# Altium PCB PCB_v1.PcbDoc (part 2 of 8)
Units mil, origin at the board's own origin, x right, y up, seen from the top; angles counter-clockwise.
Board outline 17000 x 5250 mil, 4 copper layers (Top Side, Ground Layer, Power Layer, Bottom Side), stack 33.2 mil thick; 637 components, 583 nets, 2779 pads, 978 vias.
Unrouted connection lines stored in the file: 104.
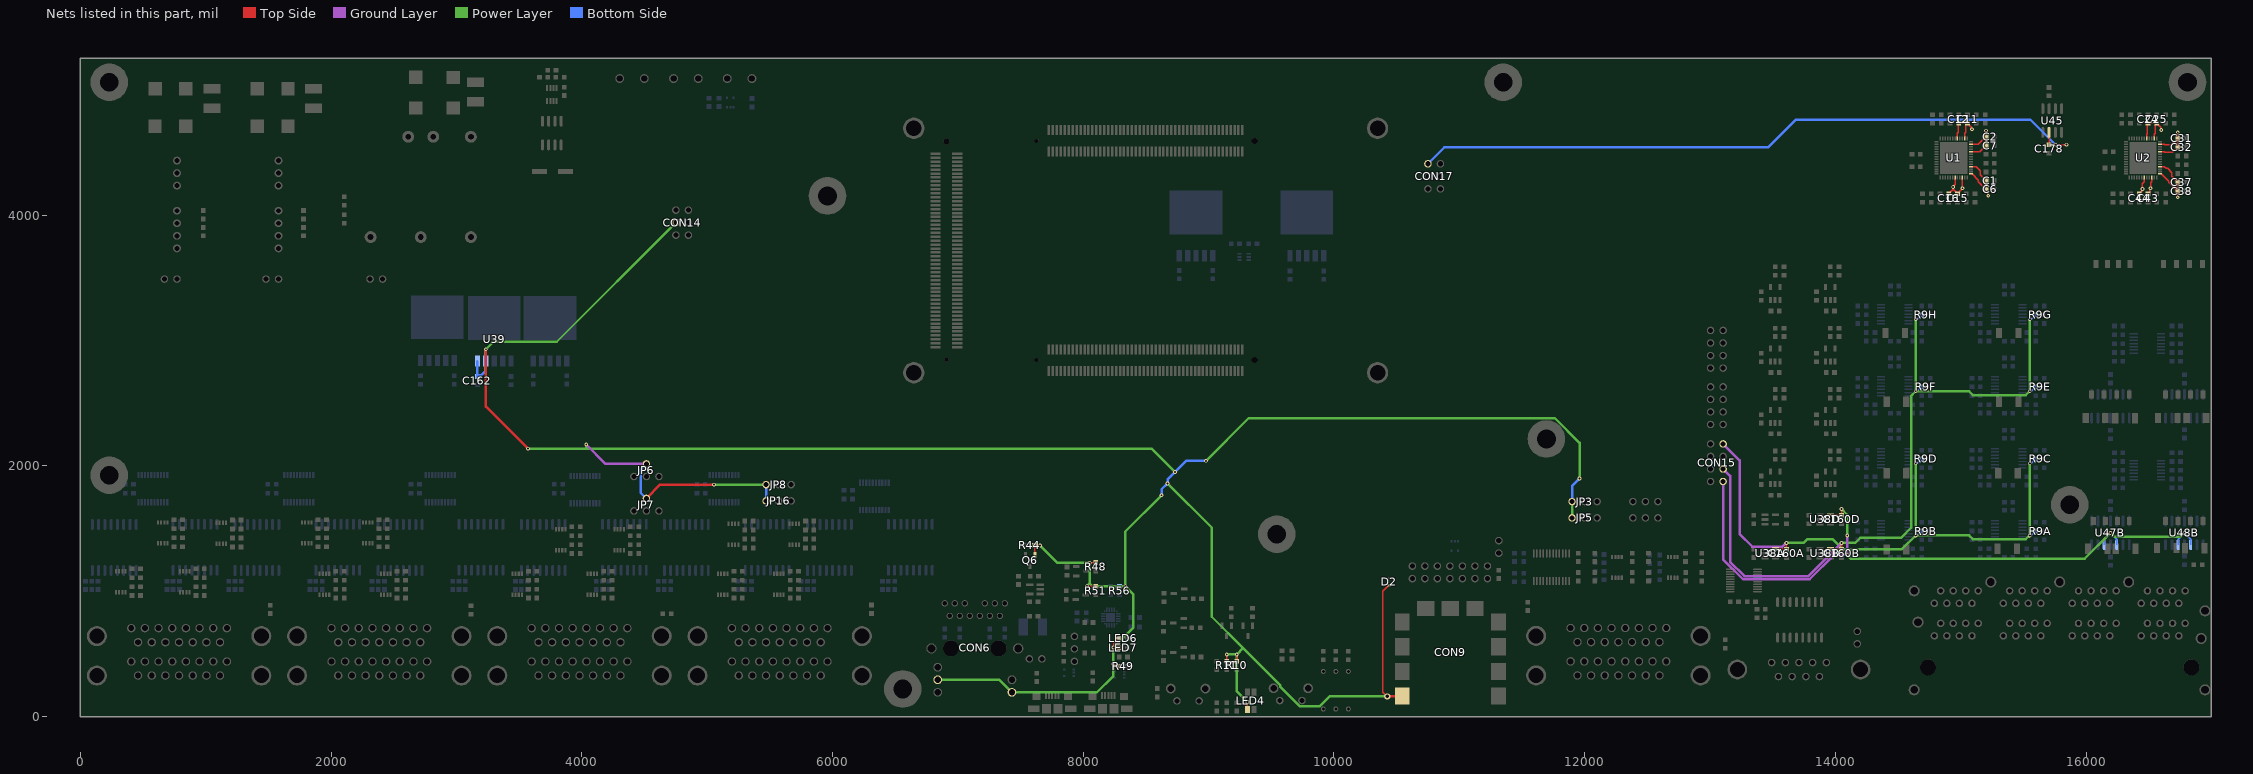
[diagram p4: the nets of this part, all layers, seen from the top]

## Components (designator, comment, footprint, x,y, rotation, side; value= is the part's Value field where it differs from the comment) (continued)
R53 "Resistor" 0603-RES 8076.26,316.57 r90 top value=0
R54 "Resistor" 0603-RES 8415,790 r180 bottom value=330
R55 "Resistor" 0603-RES 8415,715 r180 bottom value=330
R56 "Resistor" 0603-RES 8290,1005 r270 bottom value=5.1k
R57A "Resistor" 0603-RES 16260,2905 r0 bottom value="100, 1%" (schematic designator R57)
R57B "Resistor" 0603-RES 16260,1895 r0 bottom value="100, 1%" (schematic designator R57)
R58A "Resistor" 0603-RES 16260,3045 r0 bottom value="100, 1%" (schematic designator R58)
R58B "Resistor" 0603-RES 16260,2035 r0 bottom value="100, 1%" (schematic designator R58)
R59A "Resistor" 0603-RES 16720,3045 r180 bottom value="100, 1%" (schematic designator R59)
R59B "Resistor" 0603-RES 16720,2035 r180 bottom value="100, 1%" (schematic designator R59)
R60A "Resistor" 0603-RES 16720,2905 r180 bottom value="100, 1%" (schematic designator R60)
R60B "Resistor" 0603-RES 16720,1895 r180 bottom value="100, 1%" (schematic designator R60)
SOM1 "PicoZed" PicoZedSOM 10498.31,2592.89 r90 top locked
SW1 "1825027-5" 1825027-5 8836.34,125 r0 top
SW2 "194-3MST" 194-3MST 10015,60 r0 top
SW3 "1825027-5" 1825027-5 9656.42,127.6 r0 top
TP1A "Test Point" RCU-0C 16260,3610 r180 top (schematic designator TP1)
TP1B "Test Point" RCU-0C 16170,3610 r180 top (schematic designator TP1)
TP2A "Test Point" RCU-0C 16345,2570 r180 top (schematic designator TP2)
TP2B "Test Point" RCU-0C 16345,1560 r180 top (schematic designator TP2)
TP3A "Test Point" RCU-0C 16245,2570 r180 top (schematic designator TP3)
TP3B "Test Point" RCU-0C 16250,1560 r180 top (schematic designator TP3)
TP4A "Test Point" RCU-0C 16045,2570 r180 top (schematic designator TP4)
TP4B "Test Point" RCU-0C 16060,1560 r180 top (schematic designator TP4)
TP5A "Test Point" RCU-0C 16350,3610 r180 top (schematic designator TP5)
TP5B "Test Point" RCU-0C 16080,3610 r180 top (schematic designator TP5)
TP6A "Test Point" RCU-0C 16145,2570 r180 top (schematic designator TP6)
TP6B "Test Point" RCU-0C 16155,1560 r180 top (schematic designator TP6)
TP7A "Test Point" RCU-0C 16618.94,3610 r180 top (schematic designator TP7)
TP7B "Test Point" RCU-0C 16826.31,3610 r180 top (schematic designator TP7)
TP8A "Test Point" RCU-0C 16935,2570 r180 top (schematic designator TP8)
TP8B "Test Point" RCU-0C 16935,1560 r180 top (schematic designator TP8)
TP9A "Test Point" RCU-0C 16835,2570 r180 top (schematic designator TP9)
TP9B "Test Point" RCU-0C 16835,1560 r180 top (schematic designator TP9)
TP10A "Test Point" RCU-0C 16635,2570 r180 top (schematic designator TP10)
TP10B "Test Point" RCU-0C 16635,1560 r180 top (schematic designator TP10)
TP11A "Test Point" RCU-0C 16722.62,3610 r180 top (schematic designator TP11)
TP11B "Test Point" RCU-0C 16930,3610 r180 top (schematic designator TP11)
TP12A "Test Point" RCU-0C 16735,2570 r180 top (schematic designator TP12)
TP12B "Test Point" RCU-0C 16735,1560 r180 top (schematic designator TP12)
U1 "LTC2320-14" QFN52 14945,4456.54 r180 top
U2 "LTC2320-14" QFN52 16455,4456.54 r180 top
U3 "DCDC Converter RS6" "RS6 DCDC" 770,4435.29 r270 top
U3A "ADA4522-4" TSSOP14 15383.17,1485.35 r90 bottom (schematic designator U3)
U3B "ADA4522-4" TSSOP14 14473.17,1485.35 r90 bottom (schematic designator U3)
U3C "ADA4522-4" TSSOP14 15383.17,2060.35 r90 bottom (schematic designator U3)
U3D "ADA4522-4" TSSOP14 14473.17,2060.35 r90 bottom (schematic designator U3)
U3E "ADA4522-4" TSSOP14 15383.17,2635.35 r90 bottom (schematic designator U3)
U3F "ADA4522-4" TSSOP14 14473.17,2635.35 r90 bottom (schematic designator U3)
U3G "ADA4522-4" TSSOP14 15383.17,3210.35 r90 bottom (schematic designator U3)
U3H "ADA4522-4" TSSOP14 14473.17,3210.35 r90 bottom (schematic designator U3)
U4 "ADG3308" TSSOP50P640-20N 13270,1085.24 r180 top
U5 "MAX3097E" SOP127P826-16L 13715,771.25 r90 top
U6 "SN74LVC8T245PWR" TSSOP24 11735,1190 r180 top
U7 "SN74LVC2T45DCTR" SM8 12295.98,1190.01 r180 top
U8 "SN74LVC2T45DCTR" SM8 12741.77,1190.01 r180 top
U9 "SN74LVC8T245PWR" TSSOP24 11735,1190 r0 bottom
U10 "SN74LVC2T45DCTR" SM8 12220,1190 r0 bottom
U11 "SN74LVC2T45DCTR" SM8 12665,1190 r0 bottom
U12A "TC4468" "SOIC16_N - wide" 5799.98,1532.09 r270 bottom locked (schematic designator U12)
U12B "TC4468" "SOIC16_N - wide" 4658.45,1532.09 r270 bottom locked (schematic designator U12)
U12C "TC4468" "SOIC16_N - wide" 3516.91,1532.09 r270 bottom locked (schematic designator U12)
U12D "TC4468" "SOIC16_N - wide" 2375.38,1532.09 r270 bottom locked (schematic designator U12)
U12E "TC4468" "SOIC16_N - wide" 1232.7,1532.09 r270 bottom locked (schematic designator U12)
U12F "TC4468" "SOIC16_N - wide" 94.63,1532.09 r270 bottom locked (schematic designator U12)
U13A "ADG3308" TSSOP-20 6218.24,1865 r0 bottom (schematic designator U13)
U13B "ADG3308" TSSOP-20 5020.02,1927.6 r0 bottom (schematic designator U13)
U13C "ADG3308" TSSOP-20 3910.94,1920 r0 bottom (schematic designator U13)
U13D "ADG3308" TSSOP-20 2754.76,1927.6 r0 bottom (schematic designator U13)
U13E "ADG3308" TSSOP-20 1625.94,1927.6 r0 bottom (schematic designator U13)
U13F "ADG3308" TSSOP-20 462.72,1927.6 r0 bottom (schematic designator U13)
U14 "DCDC Converter RS6" "RS6 DCDC" 1580,4435.29 r270 top
U15A "TC4468" "SOIC16_N - wide" 6444.98,1533.62 r270 bottom locked (schematic designator U15)
U15B "TC4468" "SOIC16_N - wide" 5303.45,1533.62 r270 bottom locked (schematic designator U15)
U15C "TC4468" "SOIC16_N - wide" 4163.84,1533.62 r270 bottom locked (schematic designator U15)
U15D "TC4468" "SOIC16_N - wide" 3020.38,1533.62 r270 bottom locked (schematic designator U15)
U15E "TC4468" "SOIC16_N - wide" 1877.7,1533.62 r270 bottom locked (schematic designator U15)
U15F "TC4468" "SOIC16_N - wide" 739.63,1533.62 r270 bottom locked (schematic designator U15)
U16A "SN74LVC2T45DCTR" SM8 870,1075 r180 top (schematic designator U16)
U16B "SN74LVC2T45DCTR" SM8 2474.24,1055 r180 top (schematic designator U16)
U16C "SN74LVC2T45DCTR" SM8 4122.15,1055 r180 top (schematic designator U16)
U16D "SN74LVC2T45DCTR" SM8 5610,1055 r180 top (schematic designator U16)
U16E "SN74LVC2T45DCTR" SM8 1161.77,1462.89 r180 top (schematic designator U16)
U16F "SN74LVC2T45DCTR" SM8 2330,1465 r180 top (schematic designator U16)
U16G "SN74LVC2T45DCTR" SM8 4335.54,1410 r180 top (schematic designator U16)
U16H "SN74LVC2T45DCTR" SM8 5732.54,1454.56 r180 top (schematic designator U16)
U16I "SN74LVC2T45DCTR" SM8 360,1075 r180 top (schematic designator U16)
U16J "SN74LVC2T45DCTR" SM8 1985,1055 r180 top (schematic designator U16)
U16K "SN74LVC2T45DCTR" SM8 3522.07,1055 r180 top (schematic designator U16)
U16L "SN74LVC2T45DCTR" SM8 5161.68,1055 r180 top (schematic designator U16)
U16M "SN74LVC2T45DCTR" SM8 695,1465 r180 top (schematic designator U16)
U16N "SN74LVC2T45DCTR" SM8 1843.88,1465 r180 top (schematic designator U16)
U16O "SN74LVC2T45DCTR" SM8 3869.02,1410 r180 top (schematic designator U16)
U16P "SN74LVC2T45DCTR" SM8 5248.18,1454.56 r180 top (schematic designator U16)
U17 "DCDC Converter SHHD003A0A41Z" "DCDC SHHD003A0A41-SRZ" 3114.68,3825.29 r270 top
U18 "LTC4365" TS8 3799.56,5015.05 r180 top
U34 "74LVC1T45GW,125" SOT363-6N 9283.11,3666.54 r180 bottom
U37A "LT1764EQ-1.8#PBF-ND" 5-DDPAK 3746,2835.65 r180 bottom (schematic designator U37)
U37B "LT1764EQ-1.8#PBF-ND" 5-DDPAK 8900.02,3676.54 r180 bottom (schematic designator U37)
U38A "LP5907MFX-2.5/NOPB" SOT23-5 13480,1302.4 r270 top (schematic designator U38)
U38B "LP5907MFX-2.5/NOPB" SOT23-5 13920,1302.4 r270 top (schematic designator U38)
U38C "LP5907MFX-2.5/NOPB" SOT23-5 13480,1572.4 r270 top (schematic designator U38)
U38D "LP5907MFX-2.5/NOPB" SOT23-5 13920,1572.4 r270 top (schematic designator U38)
U39 "LT1764EQ-3.3#PBF" 5-DDPAK 3301,2835.65 r180 bottom
U40A "LT1529CQ-5#PBF" 5-DDPAK 2847.41,2840 r180 bottom (schematic designator U40)
U40B "LT1529CQ-5#PBF" 5-DDPAK 9783.88,3676.54 r180 bottom (schematic designator U40)
U41A "ADP7118AUJZ-R7" TSOT-23 13960,1905 r0 top (schematic designator U41)
U41B "ADP7118AUJZ-R7" TSOT-23 13960,2395 r0 top (schematic designator U41)
U41C "ADP7118AUJZ-R7" TSOT-23 13960,2885 r0 top (schematic designator U41)
U41D "ADP7118AUJZ-R7" TSOT-23 13960,3375 r0 top (schematic designator U41)
U42A "ADP7182AUJZ-R7" TSOT-23 13520,1905 r0 top (schematic designator U42)
U42B "ADP7182AUJZ-R7" TSOT-23 13520,2395 r0 top (schematic designator U42)
U42C "ADP7182AUJZ-R7" TSOT-23 13520,2885 r0 top (schematic designator U42)
U42D "ADP7182AUJZ-R7" TSOT-23 13520,3375 r0 top (schematic designator U42)
U43 "TPS2051C" SOT23-5 7615,1015 r90 top
U44 "CP2102N" QFN20 8137.15,704.79 r90 bottom
U45 "LT1461CCS8-2.5#PBF" SOIC8_N 15730.25,4755 r270 top
U46A "ADA4522-4" TSSOP14 16490,2975.51 r90 bottom (schematic designator U46)
U46B "ADA4522-4" TSSOP14 16490,1965.51 r90 bottom (schematic designator U46)
U47A "INA2143UA" SOIC14_N 16195,2475.51 r90 bottom (schematic designator U47)
U47B "INA2143UA" SOIC14_N 16195,1465.51 r90 bottom (schematic designator U47)
U48A "INA2143UA" SOIC14_N 16785,2475.51 r90 bottom (schematic designator U48)
U48B "INA2143UA" SOIC14_N 16785,1465.51 r90 bottom (schematic designator U48)

## Footprints (in the part's own frame and the unit in brackets; to place one, negate y for a bottom-side part, rotate by r counter-clockwise, add the part's x,y. Pads: shape width x height; smd on the part's side, far side on the other; paste and mask are expansions set on the pad)
5-DDPAK [mil] "Q PACKAGE  5-LEAD PLASTIC DD"
  rect 42x90 smd: 1(-134,0) 2(-67,0) 3(0,0) 4(67,0) 5(134,0)
  rect 420x350 smd: 6(0,345)
178-015-513R571 [mil] "CONN D-SUB RCPT 15POS R/A SLDR"
  round 67 hole 47: 1A(381.5,0) 1B(381.5,-266) 2A(272.5,0) 2B(272.5,-266) 3A(163.5,0) 3B(163.5,-266) 4A(54.5,0) 4B(54.5,-266) 5A(-54.5,0) 5B(-54.5,-266) 6A(-163.5,0) 6B(-163.5,-266) 7A(-272.5,0) 7B(-272.5,-266) 8A(-381.5,0) 8B(-381.5,-266) 9A(327,-112) 9B(327,-378) 10A(218,-112) 10B(218,-378) 11A(109,-112) 11B(109,-378) 12A(0,-112) 12B(0,-378) 13A(-109,-112) 13B(-109,-378) 14A(-218,-112) 14B(-218,-378) 15A(-327,-112) 15B(-327,-378)
  round 160 hole 120: SH1(656,-63) SH2(-656,-63) SH3(-656,-378) SH4(656,-378)
  silkscreen extent -770,-700 770,70
194-3MST [mm] "SWITCH PIANO DIP SPST 50MA 24V"
  round 1 hole 0.6: 1(-2.54,0) 2(-2.54,7.62) 3(0,0) 4(0,7.62) 5(2.54,0) 6(2.54,7.62)
  silkscreen extent -2.54,1.02 2.54,6.6
0603-CAP [mm]
  rect 0.95x0.95 smd: 1(-0.85,0) 2(0.85,0)
  silkscreen extent 0,-0.38 0,0.38
0603-LED [mm]
  rect 0.95x0.95 smd: A(0.85,0) C(-0.85,0)
  silkscreen extent -1.65,-0.38 0,0.38
0603-RES [mm]
  rect 0.95x0.95 smd: 1(-0.85,0) 2(0.85,0)
  silkscreen extent 0,-0.38 0,0.38
1210-LED-RGB-CA [mm]
  rect 1x1.5 smd paste+0 mask+0: 1(0.7,1.75) 1(0.7,1.75) 2(-0.7,1.75) 3(0.7,-1.75) 4(-0.7,-1.75)
  silkscreen extent -1.02,-0.71 1.93,0.91
1812-CAP [mil]
  rect 75x135 smd: 1(-77.48,0) 2(77.48,0)
  silkscreen extent -28,-60 28,60
1825027-5 [mm] "SWITCH TACTILE SPST-NO 0.05A 24V"
  round 1.524 hole 0.991: 1(-2.25,0) 2(2.25,0)
  round 2 hole 1.295: SH(-3.505,2.49) SH(3.505,2.49)
  silkscreen extent -1.78,-2.29 1.78,-1.52
1935161 [mil] "TERM BLOCK PCB 2POS 5.0MM GREEN"
  round 70 hole 51.18: 1(-98.43,0) 2(98.43,0)
  silkscreen extent -197,-157 197,157
1981584-1 [mm] "CONN RCPT MICRO USB TYPE AB"
  rect 0.4x1.35 smd: 1(-1.3,0) 2(-0.65,0) 3(0,0) 4(0.65,0) 5(1.3,0)
  rect 1.8x1.9 smd: SH(-1.15,-2.675) SH(1.15,-2.675)
  rect 2.3x1.3 smd: SH1(-3.75,-2.675) SH4(3.75,-2.675)
  rect 1.6x1.4 smd: SH2(-3.2,-0.225) SH3(3.2,-0.225)
  silkscreen extent -5,-4.13 5,-4.13
5569257-1 [mil] "CONN MOD JACK 8P8C R/A SHIELDED"
  round 60 hole 35.04: 1A(552,992.84) 1B(1102,992.84) 1C(1652,992.84) 1D(2202,992.84) 1E(202,633) 1F(752,633) 1G(1302,633) 1H(1852,633) 2A(452,992.84) 2B(1002,992.84) 2C(1552,992.84) 2D(2102,992.84) 2E(302,633) 2F(852,633) 2G(1402,633) 2H(1952,633) 3A(352,992.84) 3B(902,992.84) 3C(1452,992.84) 3D(2002,992.84) 3E(402,633) 3F(952,633) 3G(1502,633) 3H(2052,633) 4A(252,992.84) 4B(802,992.84) 4C(1352,992.84) 4D(1902,992.84) 4E(502,633) 4F(1052,633) 4G(1602,633) 4H(2152,633) 5A(502,892.84) 5B(1052,892.84) 5C(1602,892.84) 5D(2152,892.84) 5E(252,733) 5F(802,733) 5G(1352,733) 5H(1902,733) 6A(402,892.84) 6B(952,892.84) 6C(1502,892.84) 6D(2052,892.84) 6E(352,733) 6F(902,733) 6G(1452,733) 6H(2002,733) 7A(302,892.84) 7B(852,892.84) 7C(1402,892.84) 7D(1952,892.84) 7E(452,733) 7F(1002,733) 7G(1552,733) 7H(2102,733) 8A(202,892.84) 8B(752,892.84) 8C(1302,892.84) 8D(1852,892.84) 8E(552,733) 8F(1102,733) 8G(1652,733) 8H(2202,733)
  round 88.58 hole 61.81: SH1(41.17,203.08) SH2(72.08,742.84) SH3(41.17,992.84) SH4(652,1062.92) SH5(1202,1062.92) SH6(1752,1062.92) SH7(2361.84,833) SH8(2330.94,612.92) SH9(2361.84,203.08)
  round 127.95 hole 127.95: ""(152,383) ""(2252,383)
  silkscreen extent -1,-5 2409,1113
"A-DF 09 A/KG-T2S" [mm] "CONN D-SUB RCPT 9POS R/A SOLDER"
  round 1.524 hole 1: 1(5.54,1.42) 2(2.77,1.42) 3(0,1.42) 4(-2.77,1.42) 5(-5.54,1.42) 6(4.155,-1.42) 7(1.385,-1.42) 8(-1.385,-1.42) 9(-4.155,-1.42)
  round 4 hole 3.05: SH1(-12.495,0) SH2(12.495,0)
  silkscreen extent -15.49,-9.4 15.49,3.05
"CAP - UWT1V101MCL1GS" [mm] "100uF cap"
  rect 3x1 smd: 1(0.838,-3.302) 2(6.088,-3.302)
  silkscreen extent -0.79,-6.6 6.65,0, body extent 0.19,-6.44 6.49,-0.14, height 7.7
"CMC 744273801" [mm] "CMC 9UH 3.5A 2LN 800 OHM SMD"
  rect 2.7x2.7 smd: 1(0,0) 2(0,-6.2) 3(7.6,-6.223) 4(7.6,0)
  silkscreen extent -1.52,-7.75 9.02,1.52, body extent -0.89,-7.45 8.61,0.85, height 5.3
"DCDC SHHD003A0A41-SRZ" [mm] "DC/DC CONVERTER 15W 5V 3A"
  round 2.4 hole 1.2: 1(-20.32,-12.7) 2(-20.32,-7.62) 3(-20.32,0) 4(0,0) 5(0,-10.16) 6(0,-20.32)
  silkscreen extent -23.37,-23.37 4.45,5.21
JTAG-SMT2 [mm]
  rect 3.5x3 smd: 1(-7.5,0) 2(-2.5,0) 3(2.5,0) 4(7.5,0) 8(7.5,19.5) 9(2.5,19.5) 10(-2.5,19.5) 11(-7.5,19.5)
  rect 3x3.5 smd: 5(10.25,4.75) 6(10.25,9.75) 7(10.25,14.75)
  silkscreen extent -11.5,-1.5 -8.65,21
L829-1J1T-43 [mil] "CONN MAGJACK 1PORT 1000 BASE-T"
  round 50 hole 35.04: 1(-200,0) 2(-120.08,0) 3(-40.08,0) 4(40,0) 5(119.92,0) 6(199.92,0) 7(-240,-100) 8(-160,-100) 9(-80,-100) 10(80,-100) 11(160,-100) 12(240,-100)
  round 70 hole 50: 13(-296,510) 14(-296,610) 15(296,410) 16(296,510) 17(296,610)
  round 82 hole 62: 18(-346,260) 19(346,260)
  round 128 hole 127.95: ""(-190,260) ""(190,260)
  silkscreen extent -346,-200 346,800
MOUNTING_HOLE [mil]
  round 300 hole 150: 1(0,0)
PicoZedSOM [mil] "PicoZed SOM Footprint"
  round 170 hole 125: 0(150,3850) 0(150,150) 0(2100,3850) 0(2100,150)
  round 30 hole 32.01 unplated: 0(250.5,2870) 0(255,3590) 0(2000.5,2870)
  round 45.98 hole 47.99 unplated: 0(250.5,1130) 0(1995,3590) 0(2000.5,1130)
  rect 80x20 smd: JX1-1(2087.11,2771.65) JX1-2(1913.89,2771.65) JX1-3(2087.11,2740.16) JX1-4(1913.89,2740.16) JX1-5(2087.11,2708.66) JX1-6(1913.89,2708.66) JX1-7(2087.11,2677.17) JX1-8(1913.89,2677.17) JX1-9(2087.11,2645.67) JX1-10(1913.89,2645.67) JX1-11(2087.11,2614.17) JX1-12(1913.89,2614.17) JX1-13(2087.11,2582.68) JX1-14(1913.89,2582.68) JX1-15(2087.11,2551.18) JX1-16(1913.89,2551.18) JX1-17(2087.11,2519.69) JX1-18(1913.89,2519.69) JX1-19(2087.11,2488.19) JX1-20(1913.89,2488.19) JX1-21(2087.11,2456.69) JX1-22(1913.89,2456.69) JX1-23(2087.11,2425.2) JX1-24(1913.89,2425.2) JX1-25(2087.11,2393.7) JX1-26(1913.89,2393.7) JX1-27(2087.11,2362.2) JX1-28(1913.89,2362.21) JX1-29(2087.11,2330.71) JX1-30(1913.89,2330.71) JX1-31(2087.11,2299.21) JX1-32(1913.89,2299.21) JX1-33(2087.11,2267.72) JX1-34(1913.89,2267.72) JX1-35(2087.11,2236.22) JX1-36(1913.89,2236.22) JX1-37(2087.11,2204.72) JX1-38(1913.89,2204.73) JX1-39(2087.11,2173.23) JX1-40(1913.89,2173.23) JX1-41(2087.11,2141.73) JX1-42(1913.89,2141.73) JX1-43(2087.11,2110.24) JX1-44(1913.89,2110.24) JX1-45(2087.11,2078.74) JX1-46(1913.89,2078.74) JX1-47(2087.11,2047.24) JX1-48(1913.89,2047.25) JX1-49(2087.11,2015.75) JX1-50(1913.89,2015.75) JX1-51(2087.11,1984.25) JX1-52(1913.89,1984.25) JX1-53(2087.11,1952.76) JX1-54(1913.89,1952.76) JX1-55(2087.11,1921.26) JX1-56(1913.89,1921.26) JX1-57(2087.11,1889.76) JX1-58(1913.89,1889.77) JX1-59(2087.11,1858.27) JX1-60(1913.89,1858.27) JX1-61(2087.11,1826.77) JX1-62(1913.89,1826.77) JX1-63(2087.11,1795.28) JX1-64(1913.89,1795.28) JX1-65(2087.11,1763.78) JX1-66(1913.89,1763.78) JX1-67(2087.11,1732.28) JX1-68(1913.89,1732.29) JX1-69(2087.11,1700.79) JX1-70(1913.89,1700.79) JX1-71(2087.11,1669.29) JX1-72(1913.89,1669.29) JX1-73(2087.11,1637.8) JX1-74(1913.89,1637.8) JX1-75(2087.11,1606.3) JX1-76(1913.89,1606.3) JX1-77(2087.11,1574.8) JX1-78(1913.89,1574.81) JX1-79(2087.11,1543.31) JX1-80(1913.89,1543.31) JX1-81(2087.11,1511.81) JX1-82(1913.89,1511.81) JX1-83(2087.11,1480.31) JX1-84(1913.89,1480.32) JX1-85(2087.11,1448.82) JX1-86(1913.89,1448.82) JX1-87(2087.11,1417.32) JX1-88(1913.89,1417.33) JX1-89(2087.11,1385.83) JX1-90(1913.89,1385.83) JX1-91(2087.11,1354.33) JX1-92(1913.89,1354.33) JX1-93(2087.11,1322.83) JX1-94(1913.89,1322.84) JX1-95(2087.11,1291.34) JX1-96(1913.89,1291.34) JX1-97(2087.11,1259.84) JX1-98(1913.89,1259.85) JX1-99(2087.11,1228.35) JX1-100(1913.89,1228.35) JX2-1(337.11,2771.65) JX2-2(163.89,2771.65) JX2-3(337.11,2740.16) JX2-4(163.89,2740.16) JX2-5(337.11,2708.66) JX2-6(163.89,2708.66) JX2-7(337.11,2677.17) JX2-8(163.89,2677.17) JX2-9(337.11,2645.67) JX2-10(163.89,2645.67) JX2-11(337.11,2614.17) JX2-12(163.89,2614.17) JX2-13(337.11,2582.68) JX2-14(163.89,2582.68) JX2-15(337.11,2551.18) JX2-16(163.89,2551.18) JX2-17(337.11,2519.69) JX2-18(163.89,2519.69) JX2-19(337.11,2488.19) JX2-20(163.89,2488.19) JX2-21(337.11,2456.69) JX2-22(163.89,2456.69) JX2-23(337.11,2425.2) JX2-24(163.89,2425.2) JX2-25(337.11,2393.7) JX2-26(163.89,2393.7) JX2-27(337.11,2362.2) JX2-28(163.89,2362.21) JX2-29(337.11,2330.71) JX2-30(163.89,2330.71) JX2-31(337.11,2299.21) JX2-32(163.89,2299.21) JX2-33(337.11,2267.72) JX2-34(163.89,2267.72) JX2-35(337.11,2236.22) JX2-36(163.89,2236.22) JX2-37(337.11,2204.72) JX2-38(163.89,2204.73) JX2-39(337.11,2173.23) JX2-40(163.89,2173.23) JX2-41(337.11,2141.73) JX2-42(163.89,2141.73) JX2-43(337.11,2110.24) JX2-44(163.89,2110.24) JX2-45(337.11,2078.74) JX2-46(163.89,2078.74) JX2-47(337.11,2047.24) JX2-48(163.89,2047.25) JX2-49(337.11,2015.75) JX2-50(163.89,2015.75) JX2-51(337.11,1984.25) JX2-52(163.89,1984.25) JX2-53(337.11,1952.76) JX2-54(163.89,1952.76) JX2-55(337.11,1921.26) JX2-56(163.89,1921.26) JX2-57(337.11,1889.76) JX2-58(163.89,1889.77) JX2-59(337.11,1858.27) JX2-60(163.89,1858.27) JX2-61(337.11,1826.77) JX2-62(163.89,1826.77) JX2-63(337.11,1795.28) JX2-64(163.89,1795.28) JX2-65(337.11,1763.78) JX2-66(163.89,1763.78) JX2-67(337.11,1732.28) JX2-68(163.89,1732.29) JX2-69(337.11,1700.79) JX2-70(163.89,1700.79) JX2-71(337.11,1669.29) JX2-72(163.89,1669.29) JX2-73(337.11,1637.8) JX2-74(163.89,1637.8) JX2-75(337.11,1606.3) JX2-76(163.89,1606.3) JX2-77(337.11,1574.8) JX2-78(163.89,1574.81) JX2-79(337.11,1543.31) JX2-80(163.89,1543.31) JX2-81(337.11,1511.81) JX2-82(163.89,1511.81) JX2-83(337.11,1480.31) JX2-84(163.89,1480.32) JX2-85(337.11,1448.82) JX2-86(163.89,1448.82) JX2-87(337.11,1417.32) JX2-88(163.89,1417.33) JX2-89(337.11,1385.83) JX2-90(163.89,1385.83) JX2-91(337.11,1354.33) JX2-92(163.89,1354.33) JX2-93(337.11,1322.83) JX2-94(163.89,1322.84) JX2-95(337.11,1291.34) JX2-96(163.89,1291.34) JX2-97(337.11,1259.84) JX2-98(163.89,1259.85) JX2-99(337.11,1228.35) JX2-100(163.89,1228.35)
  rect 20x80 smd: JX3-1(353.35,3676.61) JX3-2(353.35,3503.39) JX3-3(384.84,3676.61) JX3-4(384.84,3503.39) JX3-5(416.34,3676.61) JX3-6(416.34,3503.39) JX3-7(447.83,3676.61) JX3-8(447.83,3503.39) JX3-9(479.33,3676.61) JX3-10(479.33,3503.39) JX3-11(510.83,3676.61) JX3-12(510.83,3503.39) JX3-13(542.32,3676.61) JX3-14(542.32,3503.39) JX3-15(573.82,3676.61) JX3-16(573.82,3503.39) JX3-17(605.31,3676.61) JX3-18(605.31,3503.39) JX3-19(636.81,3676.61) JX3-20(636.81,3503.39) JX3-21(668.31,3676.61) JX3-22(668.31,3503.39) JX3-23(699.8,3676.61) JX3-24(699.8,3503.39) JX3-25(731.3,3676.61) JX3-26(731.3,3503.39) JX3-27(762.8,3676.61) JX3-28(762.79,3503.39) JX3-29(794.29,3676.61) JX3-30(794.29,3503.39) JX3-31(825.79,3676.61) JX3-32(825.79,3503.39) JX3-33(857.28,3676.61) JX3-34(857.28,3503.39) JX3-35(888.78,3676.61) JX3-36(888.78,3503.39) JX3-37(920.28,3676.61) JX3-38(920.27,3503.39) JX3-39(951.77,3676.61) JX3-40(951.77,3503.39) JX3-41(983.27,3676.61) JX3-42(983.27,3503.39) JX3-43(1014.76,3676.61) JX3-44(1014.76,3503.39) JX3-45(1046.26,3676.61) JX3-46(1046.26,3503.39) JX3-47(1077.76,3676.61) JX3-48(1077.75,3503.39) JX3-49(1109.25,3676.61) JX3-50(1109.25,3503.39) JX3-51(1140.75,3676.61) JX3-52(1140.75,3503.39) JX3-53(1172.24,3676.61) JX3-54(1172.24,3503.39) JX3-55(1203.74,3676.61) JX3-56(1203.74,3503.39) JX3-57(1235.24,3676.61) JX3-58(1235.23,3503.39) JX3-59(1266.73,3676.61) JX3-60(1266.73,3503.39) JX3-61(1298.23,3676.61) JX3-62(1298.23,3503.39) JX3-63(1329.72,3676.61) JX3-64(1329.72,3503.39) JX3-65(1361.22,3676.61) JX3-66(1361.22,3503.39) JX3-67(1392.72,3676.61) JX3-68(1392.71,3503.39) JX3-69(1424.21,3676.61) JX3-70(1424.21,3503.39) JX3-71(1455.71,3676.61) JX3-72(1455.71,3503.39) JX3-73(1487.2,3676.61) JX3-74(1487.2,3503.39) JX3-75(1518.7,3676.61) JX3-76(1518.7,3503.39) JX3-77(1550.2,3676.61) JX3-78(1550.19,3503.39) JX3-79(1581.69,3676.61) JX3-80(1581.69,3503.39) JX3-81(1613.19,3676.61) JX3-82(1613.19,3503.39) JX3-83(1644.69,3676.61) JX3-84(1644.68,3503.39) JX3-85(1676.18,3676.61) JX3-86(1676.18,3503.39) JX3-87(1707.68,3676.61) JX3-88(1707.67,3503.39) JX3-89(1739.17,3676.61) JX3-90(1739.17,3503.39) JX3-91(1770.67,3676.61) JX3-92(1770.67,3503.39) JX3-93(1802.17,3676.61) JX3-94(1802.16,3503.39) JX3-95(1833.66,3676.61) JX3-96(1833.66,3503.39) JX3-97(1865.16,3676.61) JX3-98(1865.15,3503.39) JX3-99(1896.65,3676.61) JX3-100(1896.65,3503.39)